# Altium PCB LimePSB-RPCM_1v3.PcbDoc (part 5 of 10)
Units mm, origin at the board's own origin, x right, y up, seen from the top; angles counter-clockwise.
Board outline 170 x 110 mm, 6 copper layers (Top, L2, L3, L4, L5, Bottom), stack 1.583 mm thick; 946 components, 565 nets, 4035 pads, 1752 vias.
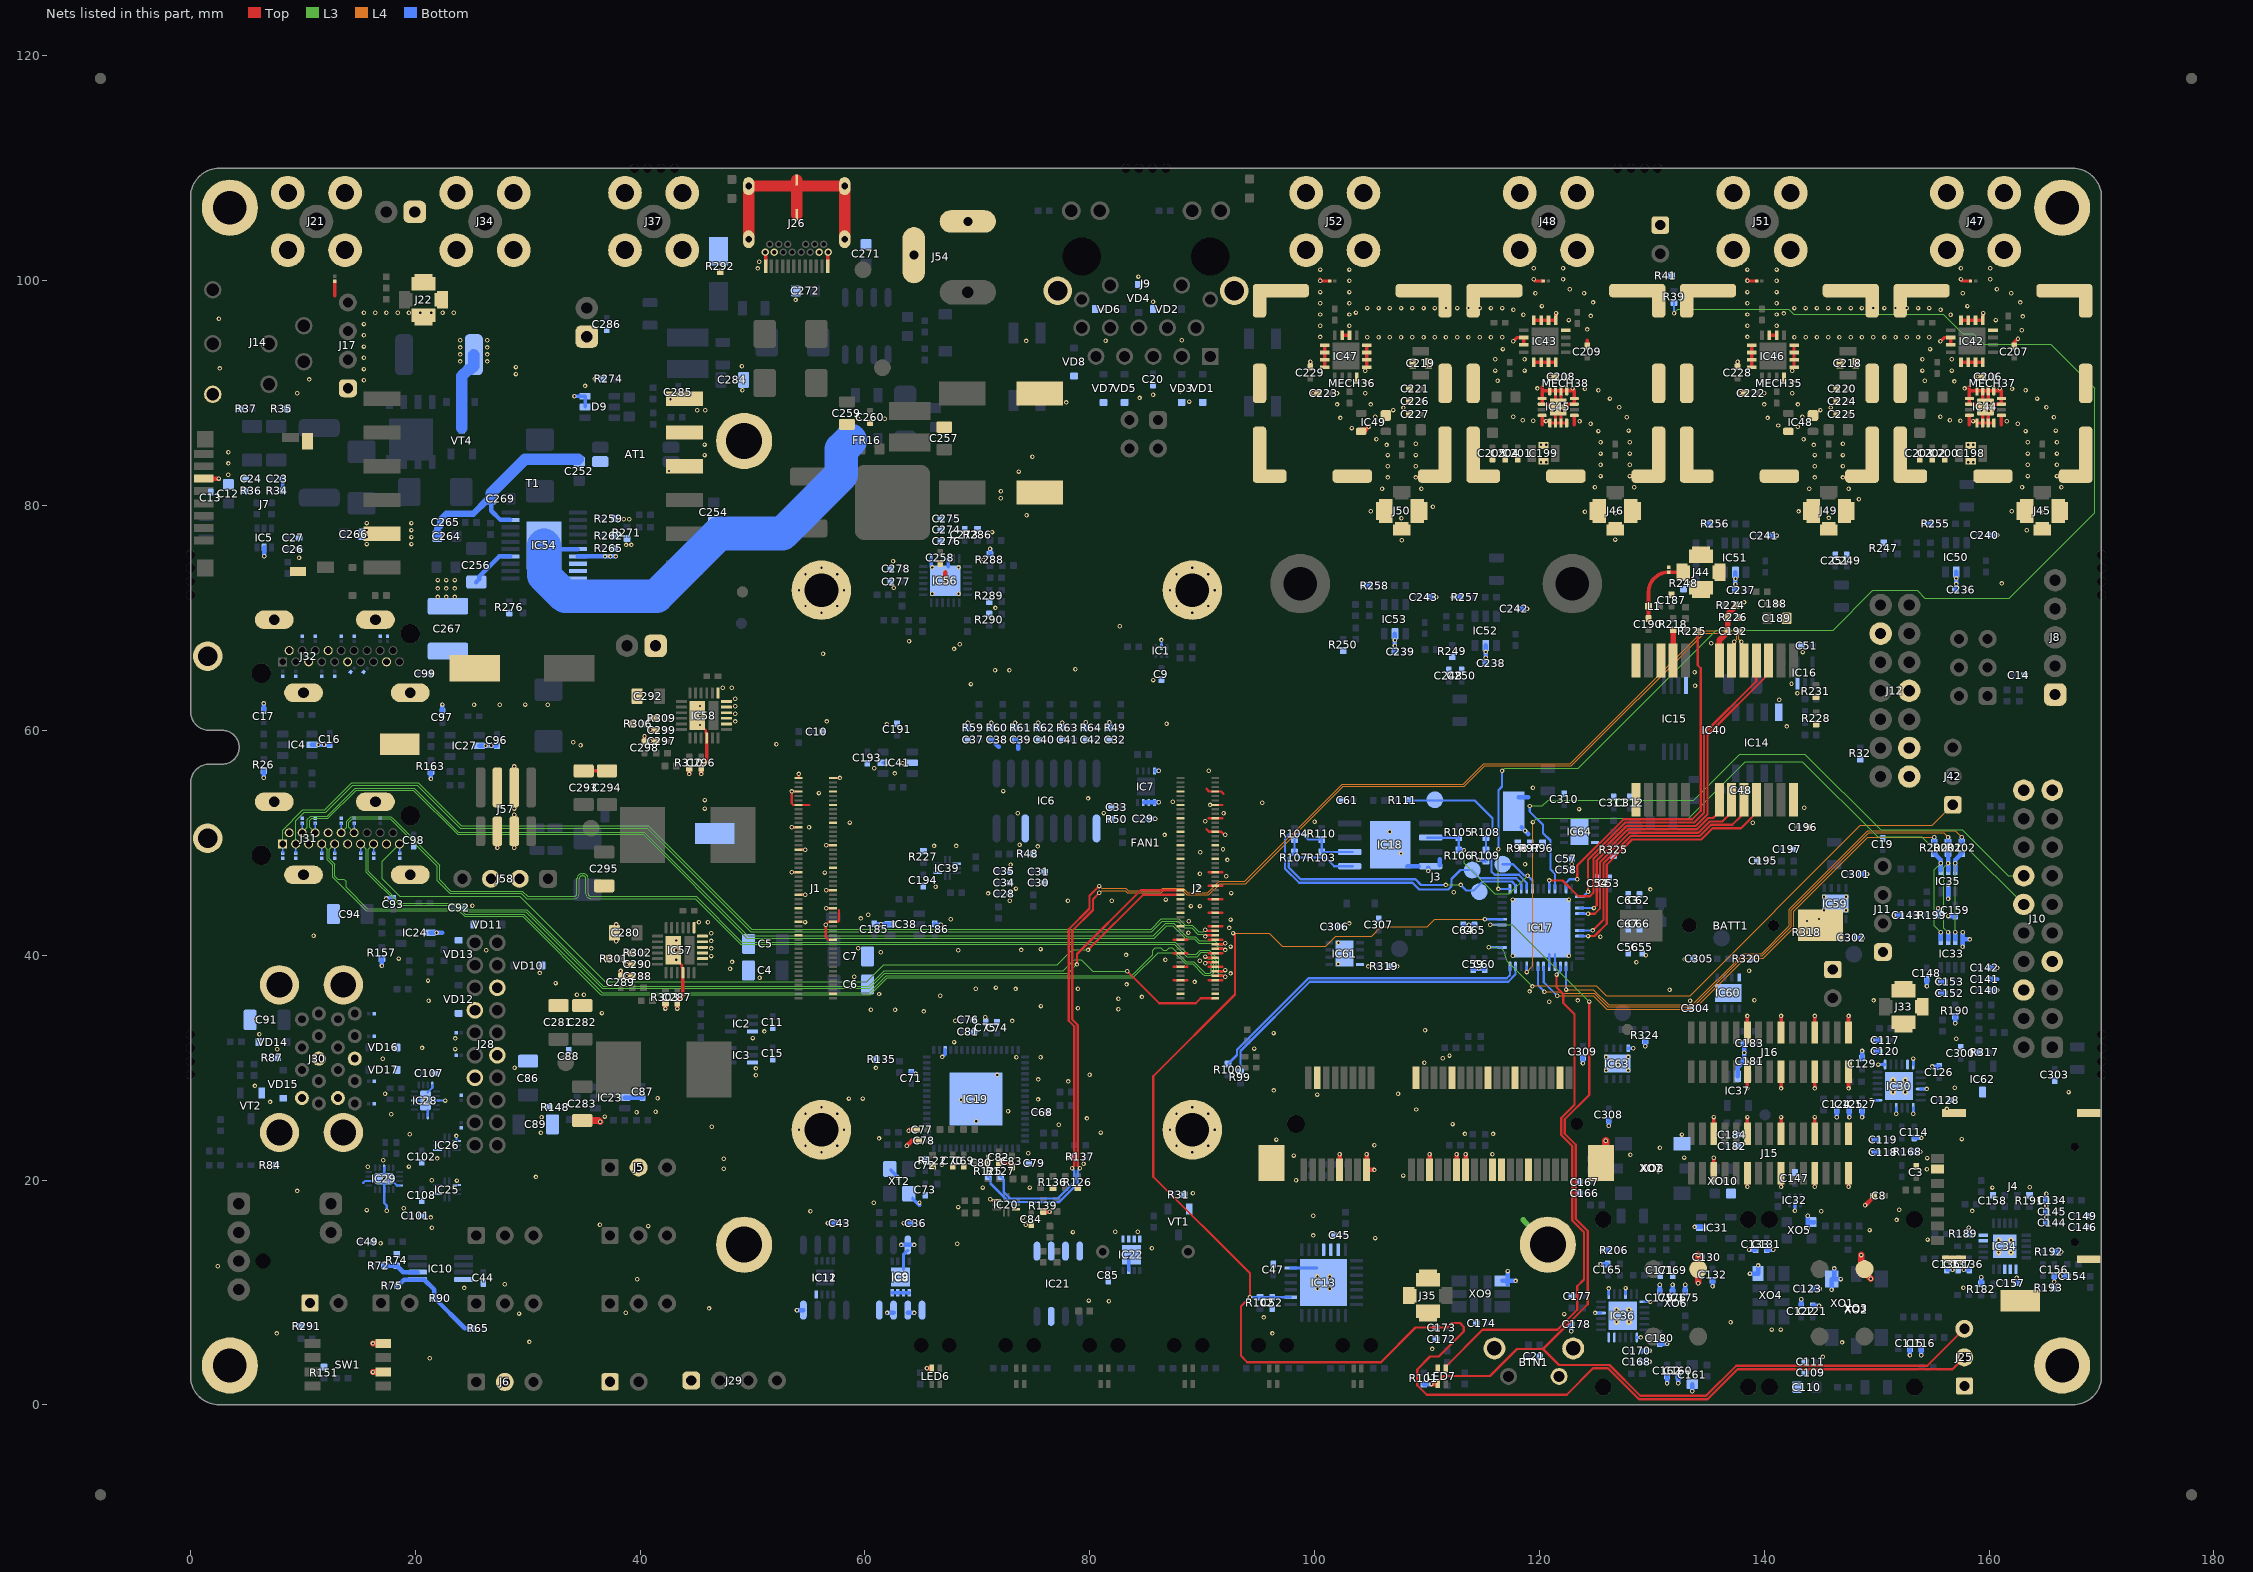
[diagram p9: the nets of this part, all layers, seen from the top]

## Via types
v1: diameter 0.4, hole 0.2, Top to Bottom, tented both sides, 1728 vias
v2: diameter 0.5, hole 0.2, Top to Bottom, tented both sides, 24 vias

## Nets (pads, with @x,y where several pads share a name; then routed paths per layer and width w, separated by ;. In a path a pad name is that pad's centre, name@x,y a point inside that pad or via, vN(x,y) a via of type N, cw(c..) or ccw(c..) an arc to the next point about the centre after c; other vN are vias at no path point) (continued)
FAN_PWM: IC10.5 R65.1 R75.2 R90.1 | length 9.1
  Bottom w0.4: R75.2@18.45,10.6 19,11.15 IC10.5@20.2,11.15 20.225,11.125 20.8,11.125 21.7,10.225 R90.1@21.7,9.5 24.4,6.8 R65.1@25.075,6.8
FAN_TACH: IC10.6 R72.2 R74.1 | length 3.2
  Bottom w0.4: R72.2@17.25,12.375 R74.1@18.35,12.375 18.925,11.8 IC10.6@20.2,11.8
FPGA_CDONE: IC17.7 J25.3 LED7.1 R101.1 | length 100.7
  Top w0.2: LED7.1@110.96,1.85 111.06,1.95 111.06,2.16 111.475,2.575 115.6,2.575 118,4.975 120.325,4.975 ; v1(124.425,35.875) 124.425,27.575 122.25,25.4 122.25,24.125 123.225,23.15 123.225,16.525 124.289,15.461 124.289,8.939 120.325,4.975 ; J25.3@157.8,6.765 154.51,3.475 137.501,3.475 134.826,0.8 128.975,0.8 126.225,3.55 121.75,3.55 120.325,4.975
  Top w0.4: v1(110.395,1.855) 110.96,1.855 LED7.1@110.96,1.85
  L3 w0.1: v1(115.625,42.7) 117.6,42.7 v1(124.425,35.875)
  Bottom w0.2: v1(115.625,42.7) IC17.7@116.675,42.7
  Bottom w0.4: R101.1@109.7,1.85 109.705,1.855 v1(110.395,1.855)
FPGA_CFG_SPI_CSN: IC17.16 R108.1 R109.2 R111.2 TP8.1 | length 17.4
  Bottom w0.2: R111.2@108.325,53.775 114.225,53.775 115.825,52.175 115.825,51.045 R108.1@115.24,50.46 R109.2@115.24,49.36 115.74,48.86 115.74,47.435 116.025,47.15 118.15,47.15 118.875,46.425 IC17.16@118.875,45.9
FPGA_CFG_SPI_SCK: IC17.15 IC18.6 R103.2 R110.1 TP5.1 | length 34.1
  Bottom w0.2: IC18.6@103.425,49.19 R103.2@100.635,49.19 R110.1@100.635,50.29 99.435,50.29 98.935,50.79 97.765,50.79 97.375,50.4 97.375,47.7 98.625,46.45 108.7,46.45 109.3,45.85 111.9,45.85 112.175,46.125 112.175,46.775 112.975,47.575 113.975,47.575 114.7,46.85 117.95,46.85 118.375,46.425 IC17.15@118.375,45.9
FPGA_CFG_SPI_SI: IC17.17 IC18.2 R105.2 R106.1 TP7.1 | length 17
  L3 w0.1: v1(113.29,49.36) 113.29,48.185 116.025,45.45 117.325,45.45 v1(118.95,47.075)
  Bottom w0.2: IC18.2@110.025,50.46 R105.2@112.815,50.46 R106.1@112.815,49.36 ; TP7.1@116.725,48.1 116.733,48.092 117.658,48.092 118.659,47.091 118.934,47.091 v1(118.95,47.075) 119.375,46.65 IC17.17@119.375,45.9
  Bottom w0.4: R106.1@112.815,49.36 v1(113.29,49.36)
FPGA_CFG_SPI_SO: IC17.14 IC18.5 R104.1 R107.2 TP6.1 | length 30.3
  L3 w0.1: v1(111.675,46.25) v1(113,46.25)
  Bottom w0.2: R104.1@98.21,50.29 R107.2@98.21,49.19 ; IC18.5@103.425,47.92 101.755,47.92 100.985,48.69 98.71,48.69 R107.2@98.21,49.19 ; v1(111.675,46.25) 109.474,46.25 108.974,46.75 98.749,46.75 97.7,47.799 97.7,48.68 R107.2@98.21,49.19 ; v1(113,46.25) 113.5,45.75 114.15,45.75 114.95,46.55 117.55,46.55 117.85,46.25 117.85,45.925 IC17.14@117.875,45.9
FPGA_CRESET: C52.1 IC13.2 IC17.8 J25.2 R102.2 | length 155.3
  Top w0.2: v1(92.75,41.975) 92.925,41.8 92.925,36.5 85.65,29.225 85.65,20.3 94.25,11.7 v1(94.25,9.575) 93.463,8.788 93.463,4.338 94,3.8 105.9,3.8 108.975,6.875 111.799,6.875 112.199,7.275 112.925,7.275 113.275,6.925 113.275,6.525 111.05,4.3 110.275,4.3 109.125,3.15 109.125,1.75 109.975,0.9 122.425,0.9 124.775,3.25 126.101,3.25 128.851,0.5 134.95,0.5 137.625,3.175 153.55,3.175 156.75,3.175 J25.2@157.8,4.225
  L4 w0.1: v1(92.75,41.975) 95.95,41.975 97.125,40.8 100.975,40.8 101.875,41.7 105.075,41.7 105.9,42.525 110.01,42.525 110.685,43.2 v1(115.15,43.2)
  Bottom w0.25: v1(94.25,9.575) R102.2@95.15,9.575 C52.1@96.225,9.575 IC13.2@97.875,9.575 ; v1(115.15,43.2) IC17.8@116.675,43.2
FPGA_GPIO0: IC17.45 J10.12 | length 65.2
  L3 w0.1: v1(119.425,51.85) 119.775,52.2 133.3,52.2 138.325,57.225 143.4,57.225 150.1,50.525 154.033,50.525 154.808,49.749 155.434,49.749 ; 155.435,49.75 156.037,49.75 ; 156.038,49.749 157.851,49.749 J10.12@163.08,44.52
  L4 w0.1: v1(118.875,38.5) 119.425,39.05 v1(119.425,51.85)
  Bottom w0.2: v1(118.875,38.5) IC17.45@118.875,39
FPGA_GPIO1: IC17.21 J10.14 | length 58.6
  L3 w0.1: v1(119.15,53.275) 120.25,53.275 120.775,53.8 133.73,53.8 137.83,57.9 143.611,57.9 150.371,51.14 157.635,51.14 161.715,47.06 J10.14@163.08,47.06
  Bottom w0.2: v1(119.15,53.275) 119.15,52.775 120.325,51.6 120.325,50.85 120.975,50.2 120.975,47.65 121.375,47.25 IC17.21@121.375,45.9
FPGA_I2C_SCL: IC17.47 R99.2 | length 29.9
  Bottom w0.2: R99.2@93.4,29.625 93.4,31.476 99.574,37.65 117.225,37.65 117.875,38.3 IC17.47@117.875,39
FPGA_I2C_SDA: IC17.48 R100.2 | length 29.4
  Bottom w0.2: R100.2@92.3,30.325 93.1,31.125 93.1,31.6 99.45,37.95 117.101,37.95 117.375,38.224 IC17.48@117.375,39
FPGA_LED_R: IC17.39 LED7.4 | length 46.9
  Top w0.2: LED7.4@111.66,3.25 111.66,3.4 114.935,6.675 121.601,6.675 123.375,8.449 123.375,10.55 123.975,11.15 123.975,15.351 122.925,16.401 122.925,23.026 121.95,24.001 121.95,25.524 123.125,26.699 123.125,34.75 122.125,35.75 122.125,36.55 121.525,37.15 v1(121.525,38.275)
  Bottom w0.2: v1(121.525,38.275) 121.85,38.6 121.85,38.975 IC17.39@121.875,39
FPGA_RF_SW_TDD: IC17.13 R39.2 | length 127
  L3 w0.1: v1(116.35,45.9) v1(116.35,49.425) ; v1(116.675,56.4) 116.9,56.625 123.45,56.625 135.75,68.925 146.15,68.925 149.675,72.45 153.625,72.45 154.3,71.775 161.8,71.775 169.4,79.375 169.4,90.425 165.475,94.35 159.525,94.35 158.6,95.275 157.675,95.275 155.925,97.025 142.625,97.025 142.2,97.45 132.315,97.45 v1(131.975,97.11)
  Bottom w0.2: v1(116.35,45.9) IC17.13@117.375,45.9 ; v1(116.35,49.425) 116.35,54.675 116.675,55 v1(116.675,56.4) ; v1(131.975,97.11) R39.2@131.975,98.075
FPGA_SPI0_DAC_SS: IC17.42 R200.2 | length 44.8
  L4 w0.1: v1(121.575,36.4) 124.784,36.4 125.984,35.2 133.775,35.2 138.325,39.75 139.925,39.75 142.625,42.45 142.625,43.925 149.199,50.499 v1(155.124,50.499)
  Bottom w0.2: IC17.42@120.375,39 120.375,37.6 v1(121.575,36.4)
  Bottom w0.4: R200.2@155.124,50.049 v1(155.124,50.499)
FPGA_SPI0_DAC_SS_R: IC33.5 IC35.1 R200.1 | length 9
  L3 w0.1: v1(155.699,42.035) 155.114,42.62 155.114,47.6 v1(155.699,48.185)
  Bottom w0.4: R200.1@155.124,49.049 155.699,48.474 IC35.1@155.699,47.549 ; IC33.5@155.699,41.399 v1(155.699,42.035)
FPGA_SPI0_MOSI: IC17.38 R202.2 | length 45.8
  L4 w0.1: v1(122.375,36.95) 124.8,36.95 126.15,35.6 133.609,35.6 138.159,40.15 138.325,40.15 139.759,40.15 142.225,42.616 142.225,44.091 149.209,51.075 156.998,51.075 v1(157.574,50.499)
  Bottom w0.2: v1(122.375,36.95) IC17.38@122.375,39
  Bottom w0.4: R202.2@157.574,50.049 v1(157.574,50.499)
FPGA_SPI0_MOSI_R: IC33.7 IC35.3 R202.1 | length 8.5
  L3 w0.1: v1(156.999,42.035) v1(156.999,48.185)
  Bottom w0.4: IC33.7@156.999,41.399 v1(156.999,42.035) ; IC35.3@156.999,47.549 156.999,48.474 R202.1@157.574,49.049
FPGA_SPI0_SCLK: IC17.43 R201.2 | length 46.8
  L4 w0.1: v1(120.45,36.75) 121.775,36.75 121.925,36.6 124.867,36.6 126.067,35.4 133.692,35.4 138.242,39.95 139.842,39.95 142.425,42.533 142.425,44.008 149.292,50.875 155.973,50.875 v1(156.349,50.499)
  Bottom w0.2: IC17.43@119.875,39 119.875,37.325 v1(120.45,36.75)
  Bottom w0.4: R201.2@156.349,50.049 v1(156.349,50.499)
FPGA_SPI0_SCLK_R: IC33.6 IC35.2 R201.1 | length 8.6
  L3 w0.1: v1(156.349,42.035) 155.975,42.409 155.975,47.811 v1(156.349,48.185)
  Bottom w0.4: IC33.6@156.349,41.399 v1(156.349,42.035) ; IC35.2@156.349,47.549 R201.1@156.349,49.049
FPGA_SYNC_OUT: IC17.3 J42.1 | length 51.6
  L3 w0.1: v1(115.5,40.7) 116.225,40.7 cw(c116.225,39.975) 116.95,39.975 ccw(c117.735,39.975) 117.18,39.42 v1(119.375,37.225)
  L4 w0.1: v1(119.375,37.225) 119.432,37.282 119.566,37.282 119.584,37.3 125.05,37.3 125.95,36.4 133.4,36.4 148.55,51.55 154.94,51.55 J42.1@156.775,53.385
  Bottom w0.2: v1(115.5,40.7) IC17.3@116.675,40.7
GND: BATT1.NEGATIVE BTN1.2 BTN1.Shield C3.1 C4.1 C5.1 C6.1 C7.1 C8.1 C9.2 C10.2 C11.2 C12.1 C13.2 C14.2 C15.2 C16.2 C17.2 C19.2 C20.2 C21.2 C23.2 C24.1 C26.1 C27.2 C28.1 C29.2 C30.1 C31.2 C32.2 C33.2 C34.1 C35.1 C36.2 C37.2 C38.2 C39.2 C40.2 C41.2 C42.2 C43.2 C44.2 C45.2 C47.2 C48.2 C49.2 C51.2 C52.2 C53.1 C54.2 C55.1 C56.2 C57.1 C58.2 C59.1 C60.2 C61.2 C62.1 C63.2 C64.1 C65.2 C66.1 C67.2 C68.1 C69.1 C70.2 C71.2 C72.1 C73.1 C74.1 C75.2 C76.1 C77.2 C78.2 C79.2 C80.2 C81.2 C82.2 C83.1 C84.2 C85.2 C86.1 C87.2 C88.2 C89.1 C91.1 C92.2 C93.2 C94.1 C96.2 C97.2 C98.2 C99.2 C101.2 C102.2 C107.2 C108.2 C109.1 C110.1 C111.2 C114.1 C115.1 C116.1 C117.1 C118.1 C119.1 C120.1 C121.1 C122.1 C123.1 C124.1 C125.1 C126.1 C127.1 C128.1 C129.1 C130.1 C131.1 C132.1 C133.1 C134.1 C135.1 C136.2 C137.2 C140.1 C141.2 C142.2 C143.1 C144.2 C145.2 C146.1 C147.1 C148.2 C149.2 C152.1 C153.2 C154.1 C156.1 C157.2 C158.2 C159.2 C160.1 C161.1 C162.2 C165.1 C166.1 C167.1 C168.1 C169.1 C170.1 C171.1 C172.1 C173.1 C174.1 C175.1 C176.1 C177.1 C178.1 C179.1 C180.1 C181.1 C182.1 C183.1 C184.1 C185.2 C186.2 C187.1 C188.1 C189.1 C191.2 C192.2 C193.2 C194.2 C195.2 C196.1 C197.2 C198.2 C199.2 C200.1 C201.1 C202.2 C203.1 C204.2 C205.1 C206.2 C207.1 C208.2 C209.1 C218.2 C219.2 C220.1 C221.1 C222.2 C223.2 C224.2 C225.1 C226.2 C227.1 C228.2 C229.2 C236.2 C237.2 C238.2 C239.2 C240.2 C241.2 C242.2 C243.2 C248.1 C249.1 C250.2 C251.2 C257.1 C258.2 C259.1 C260.2 C261.2 C262.2 C267.1 C271.1 C272.1 C273.1 C274.1 C275.2 C276.2 C277.2 C278.2 C280.1 C281.1 C282.1 C283.1 C284.1 C285.2 C286.2 C287.2 C288.2 C289.2 C290.2 C292.1 C293.1 C294.1 C295.1 C296.2 C297.2 C298.2 C299.1 C300.1 C301.1 C302.1 C303.1 C304.1 C305.1 C306.1 C307.1 C308.1 C309.1 C310.1 C311.1 C312.1 D9.5 D9.6 ESD1.2 ESD2.2 ESD3.2 ESD4.2 ESD5.2 ESD6.2 ESD7.2 ESD8.2 ESD9.2 ESD10.2 ESD11.2 ESD12.2 ESD13.2 ESD14.2 ESD15.2 ESD16.2 ESD17.2 ESD18.2 ESD19.2 ESD20.2 ESD21.2 ESD22.2 ESD23.2 ESD24.2 ESD25.2 ESD26.2 ESD27.2 ESD28.2 ESD29.2 ESD30.2 ESD31.2 ESD32.2 ESD33.2 ESD34.2 ESD35.2 ESD36.2 ESD37.2 ESD38.2 FAN1.1 IC1.2 IC2.3 IC3.3 IC4.2 IC5.2 IC6.9 IC6.14 IC7.4 IC7.5 IC7.6 IC7.7 IC8.1 IC8.2 IC8.3 IC8.4 IC8.7 IC9.1 IC9.2 IC9.3 IC9.4 IC9.7 IC9.PAD IC10.4 IC11.4 IC12.4 IC13.6 IC13.11 IC13.12 IC13.13 IC13.PAD IC14.4 IC15.4 IC16.3 IC17.40 IC17.41 IC17.PAD IC18.4 IC18.PAD IC19.19 IC19.PAD IC20.3 IC20.8 IC21.1 IC21.2 IC21.3 IC21.4 IC21.7 IC22.1 IC22.2 IC22.3 IC22.4 IC22.7 IC22.PAD IC23.2 IC24.2 IC25.3 IC25.8 IC26.3 IC26.8 IC27.2 IC28.3 IC28.7 IC28.12 IC28.18 IC28.PAD IC29.3 IC29.7 IC29.12 IC29.18 IC29.PAD IC30.1 IC30.7 IC30.11 IC30.12 IC30.16 IC30.19 IC30.22 IC30.25 IC31.2 IC32.2 IC33.8 IC34.1 IC34.2 IC34.3 IC34.9 IC34.10 IC34.21 IC35.5 IC36.1 IC36.7 IC36.11 IC36.12 IC36.16 IC36.19 IC36.22 IC36.25 IC37.2 IC38.2 IC39.3 IC39.8 IC40.10 IC40.12 IC40.13 IC40.24 IC41.2 IC41.5 IC42.4 IC42.5 IC42.6 IC42.7 IC42.8 IC42.10 IC42.11 IC42.13 IC42.14 IC42.15 IC42.16 IC43.4 IC43.5 IC43.6 IC43.7 IC43.8 IC43.10 IC43.11 IC43.13 IC43.14 IC43.15 IC43.16 IC44.1 IC44.3 IC44.4 IC44.5 IC44.6 IC44.7 IC44.8 IC44.9 IC44.10 IC44.12 IC44.13 IC44.14 IC44.15 IC44.16 IC44.PAD IC45.1 IC45.3 IC45.4 IC45.5 IC45.6 IC45.7 IC45.8 IC45.9 IC45.10 IC45.12 IC45.13 IC45.14 IC45.15 IC45.16 IC45.PAD IC46.4 IC46.5 IC46.6 IC46.7 IC46.8 IC46.10 IC46.11 IC46.13 IC46.14 IC46.15 IC46.16 IC47.4 IC47.5 IC47.6 IC47.7 IC47.8 IC47.10 IC47.11 IC47.13 IC47.14 IC47.15 IC47.16 IC48.2 IC48.4 IC49.2 IC49.4 IC50.2 IC51.2 IC52.2 IC53.2 IC56.19 IC56.22 IC56.25 IC57.4 IC57.8 IC57.9 IC57.10 IC57.11 IC57.12 IC57.13 IC57.25 IC58.4 IC58.8 IC58.9 IC58.10 IC58.11 IC58.12 IC58.13 IC58.25 IC59.4 IC59.9 IC60.4 IC60.9 IC61.4 IC61.9 IC62.3 IC63.4 IC63.9 IC64.4 IC64.9 J1.1 J1.2 J1.7 J1.8 J1.13 J1.14 J1.22 J1.23 J1.32 J1.33 J1.42 J1.43 J1.52 J1.53 J1.59 J1.60 J1.65 J1.66 J1.71 J1.74 J1.98 J2.7 J2.8 J2.13 J2.14 J2.19 J2.20 J2.25 J2.26 J2.31 J2.32 J2.37 J2.38 J2.44 J2.50 J2.55 J2.56 J2.61 J2.62 J2.67 J2.68 J2.73 J2.74 J2.79 J2.80 J2.85 J2.86 J2.91 J2.92 J2.97 J2.98 J3.4 J3.9 J3.15 J3.18 J3.21 J3.26 J3.27 J3.29 J3.34 J3.35 J3.37 J3.40 J3.43 J3.50 J3.53 J3.54 J4.C5 J4.G1 J4.G2 J4.G3 J4.G4 J5.2 J6.2 J7.6 J7.12 J7.13 J8.1 J9.S1 J9.S2 J10.6 J10.7 J10.19 J10.20 J11.1 J12.1 J12.3 J12.7 J12.12 J14.4 J15.1 J15.4 J15.7 J15.10 J15.13 J16.1 J16.4 J16.7 J16.10 J17.1 J18.1 J19.1 J20.1 J21.2 J22.2 J25.1 J26.A1 J26.A12 J26.B1 J26.B12 J26.GND J26.GND1 J26.Shell J28.6 J28.7 J28.12 J28.13 J29.1 J30.4 J30.7 J30.13 J30.16 J30.SHIELD J31.2 J31.5 J31.8 J31.11 J31.17 J31.S1 J31.S2 J31.S3 J31.S4 J31.S5 J32.2 J32.5 J32.8 J32.11 J32.17 J32.S1 J32.S2 J32.S3 J32.S4 J32.S5 J33.2 J34.2 J35.2 J37.2 J43.1 J44.2 J45.2 J46.2 J47.2 J48.2 J49.2 J50.2 J51.2 J52.2 J53.1 J54.2 J54.3 J55.1 J56.1 J57.2 J57.3 J58.2 J58.3 LED6.3 LED7.3 MECH19.MH1 MECH20.MH1 MECH21.MH1 MECH22.MH1 MECH35.1 MECH36.1 MECH37.1 MECH38.1 pad.1 R26.1 R31.2 R32.1 R34.1 R35.2 R36.2 R37.1 R41.2 R48.2 R49.2 R50.2 R59.1 R60.1 R61.1 R62.1 R63.1 R64.1 R74.2 R84.1 R87.2 R96.2 R97.2 R98.2 R109.1 R122.2 R126.2 R135.1 R136.2 R137.1 R139.2 R148.1 R151.2 R157.1 R163.1 R168.1 R182.1 R189.1 R190.2 R191.2 R192.2 R193.1 R199.2 R206.1 R226.1 R227.2 R228.1 R231.1 R247.2 R248.2 R249.2 R250.2 R255.1 R256.1 R257.1 R258.1 R274.2 R286.2 R288.1 R289.1 R290.1 R291.2 R292.2 R301.2 R302.2 R303.1 R306.2 R309.2 R310.1 R317.2 R318.2 R319.2 R320.1 R324.2 R325.2 SW1.6 SW1.8 T1.10 T1.11 T1.12 TP1.1 TP2.1 TP3.1 TP4.1 VD1.K VD2.K VD3.K VD4.K VD5.K VD6.K VD7.K VD8.K VD10.K VD11.K VD12.K VD13.K VD14.K VD15.K VD16.K VD17.K VD22.A VT1.S VT2.S XO1.2 XO2.2 XO3.2 XO4.4 XO5.2 XO6.2 XO7.2 XO8.2 XO9.4 XO10.2 XT2.2 XT2.4 | length 387.4
  Top w0.15: 57.69,43.065 57.69,44.025
  Top w0.2: IC57.25@42.95,40.45 43.075,40.325 43.55,39.85 43.55,39.3 43.7,39.15 43.7,38.925 IC57.4@43.8,38.825 ; IC58.25@45.075,61.325 45.2,61.2 45.675,60.725 45.675,60.175 45.825,60.025 45.825,59.8 IC58.4@45.925,59.7 ; v1(53.475,47.375) J1.43@54.085,47.375 ; v1(53.475,51.375) J1.23@54.085,51.375 ; J1.53@54.085,45.375 v1(54.695,45.375) ; J1.33@54.085,49.375 v1(54.695,49.375) ; J1.7@54.085,54.575 v1(53.475,54.575) 53.475,53.525 53.625,53.375 55.075,53.375 ; J1.1@54.085,55.775 54.1,55.775 v1(54.1,56.125) ; v1(56.555,44.175) J1.60@57.165,44.175 ; v1(56.555,45.775) J1.52@57.165,45.775 ; v1(56.555,49.775) J1.32@57.165,49.775 ; J1.74@57.165,41.375 56.75,41.375 56.5,41.625 v1(56.5,42.7) 56.775,42.975 57.575,42.975 57.665,43.065 ; J1.2@57.165,55.775 v1(57.775,55.775) ; v1(71.15,18.3) 71.25,18.2 IC20.3@71.725,18.2 ; 87.475,37.775 88.695,37.775 ; 87.475,38.975 88.695,38.975 ; 87.475,40.175 88.695,40.175 ; 87.475,41.375 88.695,41.375 ; 90.375,51.2 90.6,50.975 J2.26@91.165,50.975 91.7,50.975 v1@91.9,50.775 ; 90.375,54.8 90.6,54.575 J2.8@91.165,54.575 91.7,54.575 91.9,54.375 ; 90.555,37.775 91.775,37.775 ; 90.555,38.975 91.775,38.975 ; 90.555,40.175 91.775,40.175 ; 90.555,41.375 91.775,41.375 ; 90.555,42.575 91.775,42.575 ; 90.555,43.775 91.775,43.775 ; 90.555,44.975 J2.56@91.165,44.975 91.775,44.975 ; 90.555,46.175 91.775,46.175 ; 90.555,47.375 91.775,47.375 ; 90.555,52.175 91.775,52.175 ; v1(90.7,53.375) 91.775,53.375
  Top w0.3: 12.825,98.675 ESD1.2@12.825,99.95 ; C293.1@34.975,56.4 C294.1@37.05,56.4 ; J26.A12@51.175,101.295 J26.B1@51.175,102.495 ; J26.A1@56.675,101.295 J26.B12@56.675,102.495 ; v1@100.5,100.125 100.65,99.975 ESD38.2@101.35,99.975 ; IC47.16@100.9,92.315 IC47.13@100.9,94.265 ; IC47.11@102.45,95.165 IC47.10@103.1,95.165 ; IC47.5@104.65,92.315 IC47.8@104.65,94.265 ; v1(109,82.5) 109.7,82.5 MECH36.1@109.85,82.35 ; v1(117.675,94.625) 118,94.95 IC43.10@118.6,94.95 IC43.11@118.6,94.3 ; IC43.13@119.5,92.75 IC43.16@121.45,92.75 ; IC43.8@119.5,96.5 IC43.5@121.45,96.5 v1@121.45,97.15 ; v1(119.5,100.125) 119.65,99.975 ESD36.2@120.35,99.975 ; 120.25,87.175 IC45.12@120.25,88.025 ; 120.25,90.575 IC45.10@120.25,89.025 IC45.PAD@121.1,89.025 ; 120.375,90.2 122.975,90.2 ; v1(120.575,87.525) 120.594,87.506 120.925,87.506 IC45.13@120.925,87.35 IC45.14@121.425,87.35 ; IC45.PAD@121.425,88.2 IC45.14@121.425,87.35 ; IC45.PAD@121.425,89.35 IC45.7@121.425,90.2 ; IC45.PAD@121.925,88.2 IC45.15@121.925,87.35 ; IC45.PAD@121.925,89.35 IC45.6@121.925,90.2 ; IC45.PAD@122.25,89.025 IC45.3@123.1,89.025 123.1,90.275 v1(122.95,90.425) ; IC45.16@122.425,87.35 IC45.15@121.925,87.35 ; 123.1,87.175 IC45.1@123.1,88.025 ; C209.1@124.25,94.2 124.25,94.7 ; v1(128.04,82.625) 128.74,82.625 MECH38.1@128.89,82.475 ; v1@138.5,100.125 138.65,99.975 ESD37.2@139.35,99.975 ; IC46.16@138.9,92.315 IC46.13@138.9,94.265 ; IC46.11@140.45,95.165 IC46.10@141.1,95.165 ; IC46.5@142.65,92.315 IC46.8@142.65,94.265 ; v1(147,82.5) 147.7,82.5 MECH35.1@147.85,82.35 ; v1(155.675,94.625) 156,94.95 IC42.10@156.6,94.95 IC42.11@156.6,94.3 ; IC42.13@157.5,92.75 IC42.16@159.45,92.75 ; IC42.8@157.5,96.5 IC42.5@159.45,96.5 v1@159.45,97.125 ; v1(157.5,100.125) 157.65,99.975 ESD35.2@158.35,99.975 ; 158.25,87.175 IC44.12@158.25,88.025 ; 158.25,90.575 IC44.10@158.25,89.025 IC44.PAD@159.1,89.025 ; 158.375,90.2 160.975,90.2 ; v1(158.575,87.525) 158.594,87.506 158.925,87.506 IC44.13@158.925,87.35 IC44.14@159.425,87.35 ; IC44.PAD@159.425,88.2 IC44.14@159.425,87.35 ; IC44.PAD@159.425,89.35 IC44.7@159.425,90.2 ; IC44.PAD@159.925,88.2 IC44.15@159.925,87.35 ; IC44.PAD@159.925,89.35 IC44.6@159.925,90.2 ; IC44.PAD@160.25,89.025 IC44.3@161.1,89.025 161.1,90.275 v1(160.95,90.425) ; IC44.16@160.425,87.35 IC44.15@159.925,87.35 ; 161.1,87.175 IC44.1@161.1,88.025 ; C207.1@162.25,94.2 162.25,94.525 v1(162.575,94.85) ; IC45.14@121.425,87.35 IC45.15@121.925,87.35 ; IC44.14@159.425,87.35 IC44.15@159.925,87.35 ; v1(54.125,24.475) 54.418,25.182 v1(54.711,25.889) 55.418,26.182 v1(56.125,26.475) 56.832,26.182 v1(57.539,25.889) 57.832,25.182 v1(58.125,24.475) 57.832,23.768 v1(57.539,23.061) 56.832,22.768 v1(56.125,22.475) 55.418,22.768 v1(54.711,23.061) 54.418,23.768 v1(54.125,24.475) ; v1(54.125,72.475) 54.418,73.182 v1(54.711,73.889) 55.418,74.182 v1(56.125,74.475) 56.832,74.182 v1(57.539,73.889) 57.832,73.182 v1(58.125,72.475) 57.832,71.768 v1(57.539,71.061) 56.832,70.768 v1(56.125,70.475) 55.418,70.768 v1(54.711,71.061) 54.418,71.768 v1(54.125,72.475) ; v1(87.125,24.475) 87.418,23.768 v1(87.711,23.061) 88.418,22.768 v1(89.125,22.475) 89.832,22.768 v1(90.539,23.061) 90.832,23.768 v1(91.125,24.475) 90.832,25.182 v1(90.539,25.889) 89.832,26.182 v1(89.125,26.475) 88.418,26.182 v1(87.711,25.889) 87.418,25.182 v1(87.125,24.475) ; v1(87.125,72.475) 87.418,73.182 v1(87.711,73.889) 88.418,74.182 v1(89.125,74.475) 89.832,74.182 v1(90.539,73.889) 90.832,73.182 v1(91.125,72.475) 90.832,71.768 v1(90.539,71.061) 89.832,70.768 v1(89.125,70.475) 88.418,70.768 v1(87.711,71.061) 87.418,71.768 v1(87.125,72.475)
  Top w0.309: C287.2@43.3,35.75 43.3,35.869 43.804,36.374 IC57.4@43.804,38.825 ; C296.2@45.425,56.625 45.425,56.744 45.93,57.249 IC58.4@45.93,59.7
  Top w0.325: J15.13@135.5,20.625 v1(135.5,21.975) ; J15.13@135.5,24.125 v1(135.5,25.6) ; v1(138.5,19.4) J15.10@138.5,20.625 ; J15.10@138.5,24.125 v1(138.5,25.6) ; v1(138.5,28.15) J16.10@138.5,29.625 ; J16.10@138.5,33.125 v1(138.5,34.6) ; v1(141.5,19.4) J15.7@141.5,20.625 ; J15.7@141.5,24.125 v1(141.5,25.6) ; v1(141.5,28.15) J16.7@141.5,29.625 ; J16.7@141.5,33.125 v1(141.5,34.6) ; v1(144.5,19.4) J15.4@144.5,20.625 ; J15.4@144.5,24.125 v1(144.5,25.6) ; v1(144.5,28.15) J16.4@144.5,29.625 ; J16.4@144.5,33.125 v1(144.5,34.6) ; v1(147.5,19.4) J15.1@147.5,20.625 ; v1(147.5,28.15) J16.1@147.5,29.625 ; J16.1@147.5,33.125 v1(147.5,34.6)
  Top w0.4: J7.6@1.18,82.4 v1(2.5,82.4) ; v1(27.3,49.55) J57.3@27.3,51.025 ; v1(28.8,49.55) J57.2@28.8,51.025 v1(28.8,52.5) ; v1(28.8,53.05) J57.2@28.8,54.925 v1(28.8,56.8) ; v1(37.862,41.24) v1(37.862,42.74) ; C289.2@38.261,38.1 v1(38.261,38.6) ; v1(38.8,38.15) C288.2@39.3,38.15 ; v1(38.8,39.175) C290.2@39.3,39.175 ; v1(38.8,40.225) R302.2@39.3,40.225 ; C298.2@40.386,58.975 v1(40.386,59.475) ; v1(40.925,59.025) C297.2@41.425,59.025 ; v1(40.925,60.05) C299.1@41.425,60.05 ; v1(40.925,61.1) R309.2@41.425,61.1 ; v1(42.25,35.25) R303.1@42.25,35.75 ; v1(43.3,35.25) C287.2@43.3,35.75 ; v1(44.375,56.125) R310.1@44.375,56.625 ; v1(45.425,56.125) C296.2@45.425,56.625 ; v1(63.725,23.05) 64.15,23.475 C78.2@64.775,23.475 ; v1(63.875,24.375) 63.975,24.475 C77.2@64.575,24.475 ; v1(65.51,3.253) LED6.3@65.96,3.253 ; v1(67.15,73.325) 67.15,74.05 ; C82.2@71.9,21.525 72.7,21.525 C83.1@73.075,21.15 ; R139.2@75.85,17.2 75.875,17.175 v1(76.425,17.175) ; C229.2@99.625,92.325 v1(99.625,92.8) ; v1(99.85,90.015) C223.2@100.325,90.015 ; J3.9@102.225,20.9 v1(102.225,22.3) ; IC49.4@104.14,86.75 104.55,86.75 v1(104.8,87) ; v1(104.625,22.3) J3.15@104.625,20.9 v1(105.325,20.9) ; J3.21@110.225,20.9 v1(110.225,22.3) ; J3.27@112.625,20.9 v1(112.625,22.3) ; J3.29@113.425,20.9 v1(113.425,22.3) ; v1(120.965,91.475) C208.2@121.44,91.475 ; C228.2@137.625,92.325 v1(137.625,92.8) ; v1(137.85,90.015) C222.2@138.325,90.015 ; v1(148.975,17.75) 149.625,18.4 149.625,18.55 149.675,18.6 C8.1@149.725,18.6 ; v1(158.965,91.475) C206.2@159.44,91.475